# KiCad board SimulTypeUltraFullMag.kicad_pcb (continued)
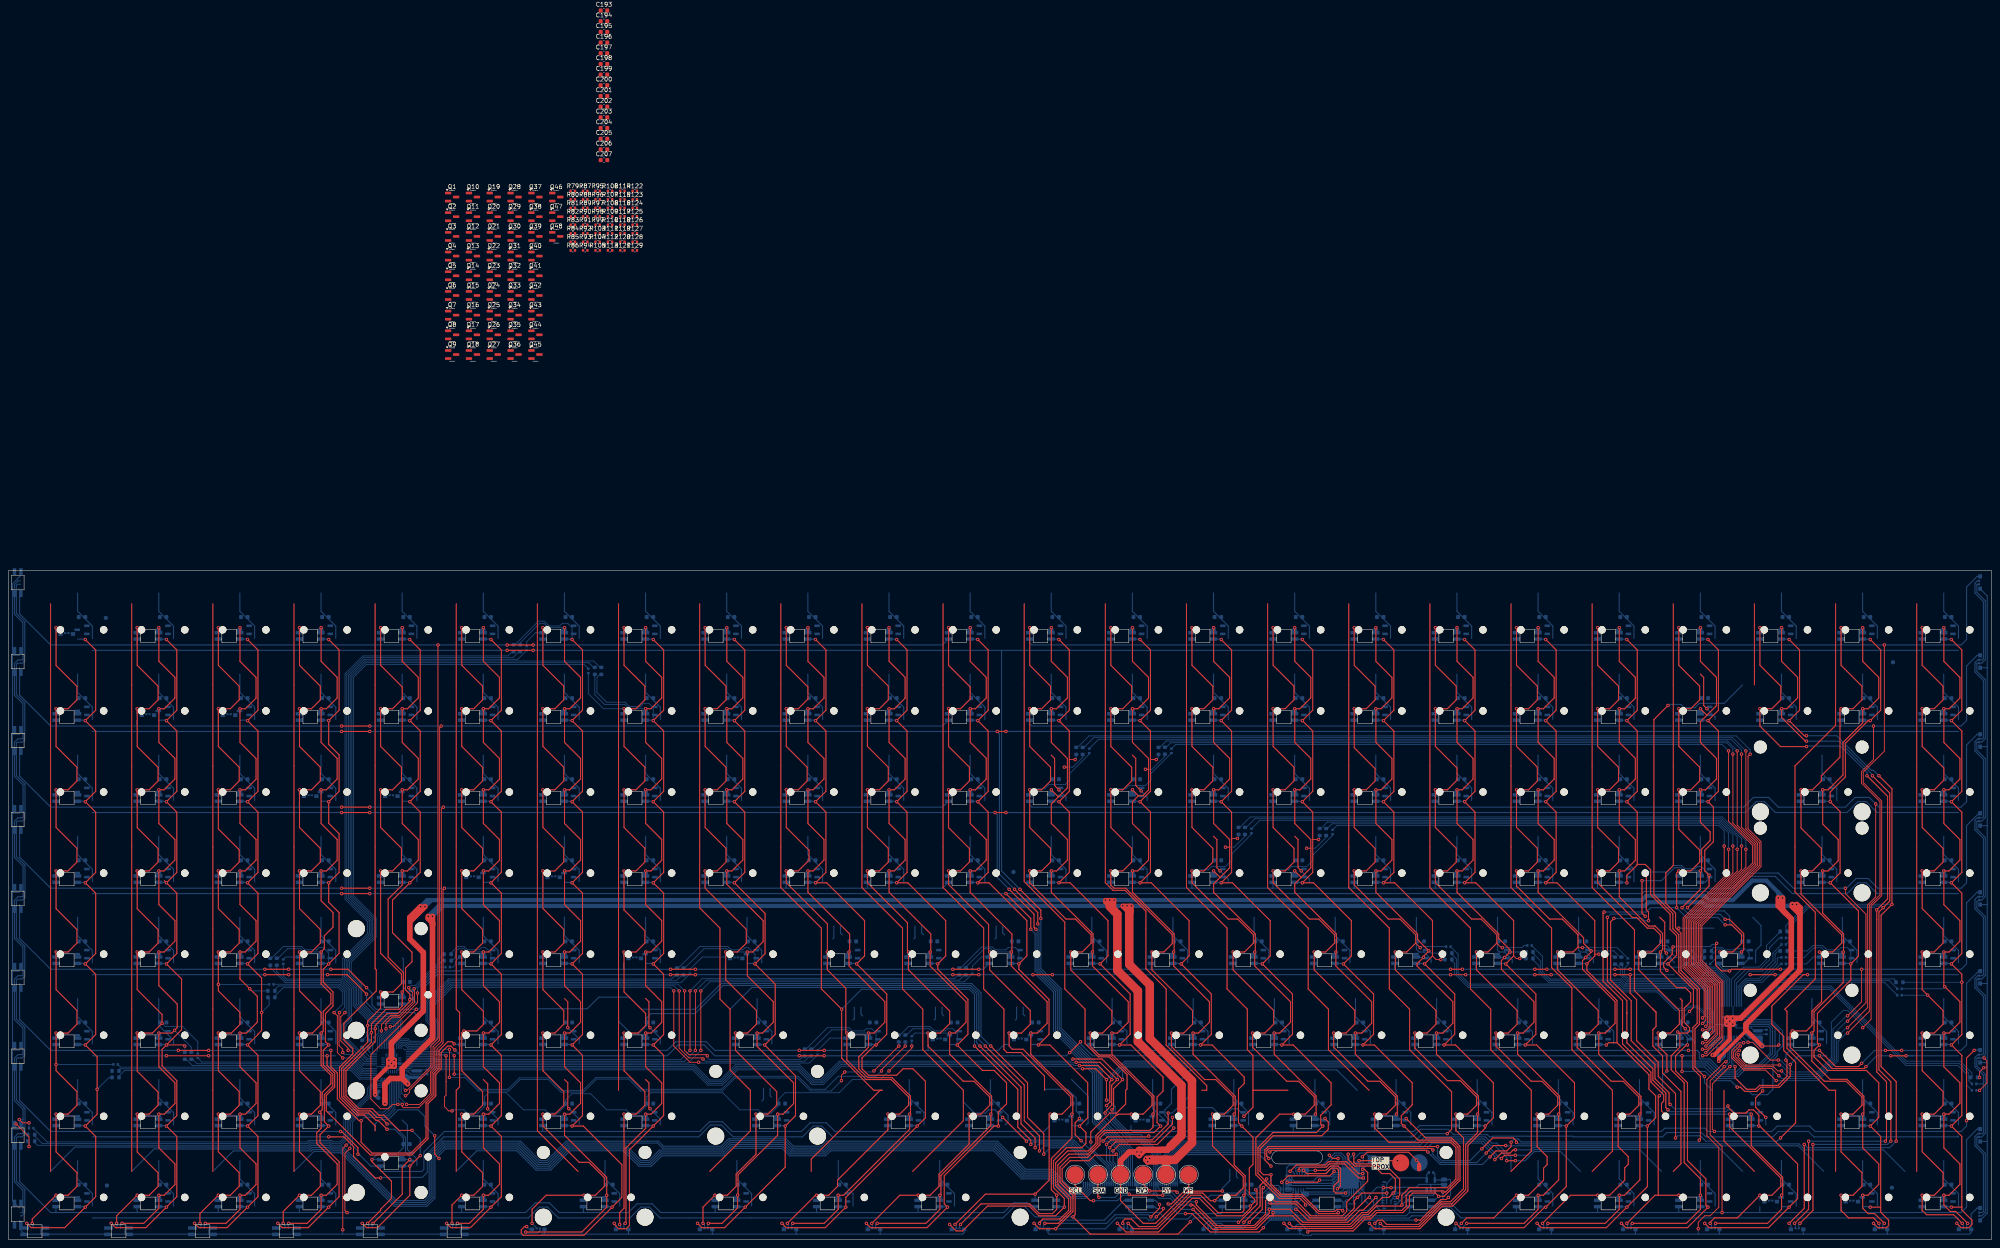
[diagram p0: board, top side]
## Routing (per net, layer and track width the routed paths; a pad name or vN(x,y) marks a point on that pad's centre or on a via; arc(x,y) is an arc through that point) (continued)
  Bottom w0.2: v1(333.49,67.8) 334,67.29 337.55,67.29
  Bottom w0.25: 321.03,85.41 321.03,86.59 v1(321.04,86.59) ; 335.32,47.31 335.32,48.44 v1(335.27,48.49) ; v1(321.04,124.69) 321.03,124.69 321.03,123.51 ; 321.03,104.46 321.03,105.64 v1(321.04,105.64) ; v1(344.92,29.44) 344.85,29.37 344.85,28.26 ; 330.56,66.36 330.65,66.27 v1(332.22,66.27) ; 321.03,142.56 321.03,143.74 v1(321.04,143.75) ; 321.82,2.6 321.82,3.55 v1(322.06,3.79)
/G19c: length 200.3
  Top w0.25: v1(342.38,3.79) 355.84,3.79 359.14,7.09 v1(359.14,10.39) 360.37,10.39 363.97,14 v1(363.97,29.44) 364.17,29.65 364.17,33.68 354.32,43.54 v1(354.32,48.49) 355.6,48.49 358.15,51.04 358.15,55.86 350.51,63.5 350.51,65.51 v1(351.27,66.27) v1(352.54,67.54) 352.54,68.05 349.88,70.71 349.88,71.78 340.09,81.57 v1(340.09,86.59) 341.32,86.59 343.86,89.14 343.86,93.96 340.09,97.73 v1(340.09,105.64) 341.32,105.64 343.86,108.19 343.86,113.01 340.09,116.78 v1(340.09,124.69) 341.32,124.69 343.86,127.24 343.86,132.06 340.09,135.83 v1(340.09,143.75)
  Bottom w0.25: 354.37,47.31 354.37,48.44 v1(354.32,48.49) ; 340.08,123.51 340.08,124.69 v1(340.09,124.69) ; v1(340.09,86.59) 340.08,86.59 340.08,85.41 ; v1(342.38,3.79) 341.52,2.93 341.52,2.6 ; v1(340.09,143.75) 340.08,143.74 340.08,142.56 ; 363.9,28.26 363.9,29.37 v1(363.97,29.44) ; v1(351.27,66.27) 349.7,66.27 349.61,66.36 ; v1(340.09,105.64) 340.08,105.64 340.08,104.46 ; 356.6,67.54 353.3,67.54 353.3,67.54 v1(352.54,67.54) ; v1(359.14,10.39) 359.13,10.39 359.13,9.21
/G20c: length 205.3
  Top w0.2: v1(370.32,66.27) 370.32,66.53
  Top w0.25: 371.59,67.54 371.59,68.05 ; 371.59,67.54 v1(371.59,67.8) 369.81,69.58 369.81,70.91 359.14,81.57 v1(359.14,86.59) 360.37,86.59 362.91,89.14 362.91,93.96 359.14,97.73 v1(359.14,105.64) 360.37,105.64 362.91,108.19 362.91,113.01 359.14,116.78 v1(359.14,124.69) 360.37,124.69 362.91,127.24 362.91,132.06 359.14,135.83 v1(359.14,143.75) ; 371.59,67.54 369.94,65.89 ; v1(370.32,66.27) 369.94,65.89 ; 369.94,65.89 369.56,65.51 369.56,63.5 377.2,55.86 377.2,50.81 374.89,48.49 v1(373.37,48.49) 373.37,43.54 383.27,33.63 383.27,29.7 v1(383.02,29.44) 383.02,14 379.42,10.39 v1(378.19,10.39) 378.19,7.09 374.89,3.79 v1(361.43,3.79)
  Bottom w0.2: v1(371.59,67.8) 376.93,67.8 378.7,66.02
  Bottom w0.25: 359.13,85.41 359.13,86.59 v1(359.14,86.59) ; 361.22,2.6 361.22,3.59 v1(361.43,3.79) ; v1(359.14,105.64) 359.13,105.64 359.13,104.46 ; 373.42,47.31 373.42,48.44 v1(373.37,48.49) ; 359.13,123.51 359.13,124.69 v1(359.14,124.69) ; v1(370.32,66.27) 368.75,66.27 368.66,66.36 ; 382.95,28.26 382.95,29.37 v1(383.02,29.44) ; v1(378.19,10.39) 378.18,10.39 378.18,9.21 ; 359.13,142.56 359.13,143.74 v1(359.14,143.75)
/G21c: length 200.6
  Top w0.25: v1(381.24,3.79) 393.94,3.79 397.24,7.09 v1(397.24,10.39) 397.24,14.26 393.43,18.07 393.43,36.81 390.39,39.86 390.39,43.16 392.42,45.19 392.42,48.24 v1(391.91,48.75) 392.16,48.49 394.2,48.49 394.7,49 394.7,49.76 393.43,51.03 393.43,54.34 394.96,55.86 394.96,57.89 393.69,59.16 391.66,59.16 387.85,62.97 v1(387.85,67.54) 388.35,68.05 388.35,71.89 386.59,73.66 386.58,73.64 385.05,73.64 378.19,80.5 v1(378.19,86.59) 379.46,86.59 381.96,89.1 381.96,93.96 378.19,97.73 v1(378.19,105.64) 379.42,105.64 381.96,108.19 381.96,113.01 378.19,116.78 v1(378.19,124.69) 379.46,124.69 381.96,127.2 381.96,132.06 378.19,135.83 v1(378.19,143.75)
  Bottom w0.2: 394.19,66.27 391.4,66.27 389.37,68.31 388.61,68.31 v1(387.85,67.54)
  Bottom w0.25: v1(378.19,105.64) 378.18,105.64 378.18,104.46 ; v1(378.19,124.69) 378.18,124.69 378.18,123.51 ; v1(381.24,3.79) 380.93,3.48 380.93,2.6 ; 397.23,9.21 397.23,10.39 v1(397.24,10.39) ; 392.47,47.31 392.47,48.19 v1(391.91,48.75) ; 387.71,66.36 387.71,67.41 v1(387.85,67.54) ; v1(378.19,86.59) 378.18,86.59 378.18,85.41 ; 378.18,142.56 378.18,143.74 v1(378.19,143.75)
/G22c: length 265.8
  Top w0.25: v1(375.4,75.67) 375.4,60.69 379.97,56.11 379.97,53.07 ; 379.97,53.07 379.97,46.21 386.07,40.11 386.07,37.45 389.12,34.4 389.12,30.97 v1(389.62,30.46) ; 379.97,53.07 379.97,53.32 ; v1(384.29,75.93) 383.53,76.69 v1(383.53,84.31) ; v1(397.24,143.75) 397.24,135.83 401.01,132.06 401.01,125.42 398.77,123.17 ; v1(392.93,77.96) 397.24,82.28 v1(397.24,86.59) 397.51,86.86 397.51,91.69 399.53,93.71 399.53,95.74 397.24,98.02 v1(397.24,105.64) 398.47,105.64 401.01,108.19 401.01,113.01 397.24,116.78 397.24,121.65 398.77,123.17 ; v1(397.24,124.69) 398.77,123.17 ; v1(403.04,75.21) 404.06,75.21 407.4,71.86 407.4,68.05 v1(406.9,67.54) ; v1(400.8,3.79) 412.99,3.79 416.29,7.09 v1(416.29,10.39) 416.56,10.66 416.56,14.63 409.18,22.01 v1(409.18,29.44)
  Bottom w0.2: 399.53,66.27 399.53,66.53 401.25,68.24 402.13,68.24 402.83,67.54 v1(406.9,67.54)
  Bottom w0.25: 400.63,2.6 400.63,3.62 v1(400.8,3.79) ; 397.23,85.41 397.23,86.59 v1(397.24,86.59) 393.43,86.59 392.67,87.36 391.15,87.36 388.1,84.31 v1(383.53,84.31) ; 397.23,104.46 397.23,105.64 v1(397.24,105.64) ; v1(406.9,67.54) 406.76,67.41 406.76,66.36 ; v1(397.24,124.69) 397.23,124.69 397.23,123.51 ; v1(416.29,10.39) 416.28,10.39 416.28,9.21 ; 409.14,28.26 409.14,29.4 v1(409.18,29.44) 408.93,29.7 405.37,29.7 404.61,30.46 403.66,30.46 403.24,30.04 390.05,30.04 v1(389.62,30.46) ; v1(392.93,77.96) 394.45,76.43 401.82,76.43 v1(403.04,75.21) ; v1(384.29,75.93) 383.78,76.43 376.16,76.43 v1(375.4,75.67) ; 397.23,142.56 397.23,143.74 v1(397.24,143.75)
/G23c: length 211.8
  Top w0.25: v1(416.29,143.75) 416.29,135.83 420.06,132.06 420.06,127.24 417.52,124.69 v1(416.29,124.69) 416.29,122.65 421.87,117.07 v1(422.14,117.07) ; v1(441.95,23.09) 441.95,37.06 439.15,39.86 439.15,76.94 v1(440.17,77.96) 441.69,79.48 441.69,104.88 v1(437.63,108.95) ; v1(423.66,22.33) 423.66,6.84 v1(420.61,3.79)
  Bottom w0.2: 417.31,70.85 417.93,70.85 418.69,71.61 418.69,74.57 422.48,78.36 439.77,78.36 v1(440.17,77.96)
  Bottom w0.25: 416.28,123.51 416.28,124.69 v1(416.29,124.69) ; 420.34,2.6 420.34,3.52 v1(420.61,3.79) ; 416.28,142.56 416.28,143.74 v1(416.29,143.75) ; v1(441.95,23.09) 441.19,22.33 v1(423.66,22.33) ; v1(422.14,117.07) 429.76,117.07 437.63,109.2 v1(437.63,108.95)
/G24c: length 197.5
  Top w0.25: v1(440.42,3.79) 438.14,6.08 436.61,6.08 435.34,7.35 v1(435.34,10.39) 436.57,10.39 439.11,12.94 439.11,17.76 435.34,21.53 v1(435.34,29.44) 435.61,29.71 435.61,33.68 431.66,37.63 427.67,37.63 423.41,41.89 v1(423.41,48.49) 423.91,49 423.91,53.5 430.77,60.35 v1(430.77,67.54) 430.85,67.62 430.85,71.78 425.95,76.68 v1(425.95,86.59) 427.22,86.59 429.59,88.97 429.59,93.96 425.95,97.6 v1(425.95,105.64) 427.22,105.64 430.71,109.14 430.71,116.76 435.34,121.39 v1(435.34,124.69) 436.61,124.69 439.11,127.2 439.11,132.06 435.34,135.83 v1(435.34,143.75)
  Bottom w0.2: 417.31,66.27 421.63,66.27 423.91,68.56 425.67,68.56 426.68,67.54 v1(430.77,67.54)
  Bottom w0.25: 435.33,123.51 435.33,124.69 v1(435.34,124.69) ; v1(425.95,86.59) 425.81,86.46 425.81,85.41 ; v1(440.42,3.79) 440.04,3.41 440.04,2.6 ; v1(423.41,48.49) 423.43,48.47 423.43,47.31 ; 430.57,66.36 430.57,67.35 v1(430.77,67.54) ; 425.81,104.46 425.81,105.51 v1(425.95,105.64) ; v1(435.34,29.44) 435.33,29.44 435.33,28.26 ; v1(435.34,143.75) 435.33,143.74 435.33,142.56 ; 435.33,9.21 435.33,10.39 v1(435.34,10.39)
/G25c: length 196.7
  Top w0.25: v1(459.98,3.79) 457.19,6.58 455.92,6.58 454.39,8.11 v1(454.39,10.39) 455.62,10.39 458.16,12.94 458.16,17.76 454.39,21.53 v1(454.39,29.44) 455.62,29.44 458.16,31.99 458.16,36.81 454.39,40.58 v1(454.39,48.49) 455.62,48.49 458.16,51.04 458.16,55.86 v1(454.63,59.4) 454.39,59.63 v1(454.39,67.54) 455.62,67.54 458.16,70.09 458.16,74.91 454.39,78.68 v1(454.39,86.59) 455.62,86.59 458.16,89.14 458.16,93.96 454.39,97.73 v1(454.39,105.64) 455.62,105.64 458.16,108.19 458.16,113.01 454.39,116.78 v1(454.39,124.69) 455.66,124.69 458.16,127.2 458.16,132.06 454.39,135.83 v1(454.39,143.75)
  Bottom w0.2: 407.55,49.29 408.45,49.29 409.5,48.24 R102.1 ; 444.49,58.91 454.14,58.91 v1(454.63,59.4)
  Bottom w0.25: 454.38,104.46 454.38,105.64 v1(454.39,105.64) ; 454.38,85.41 454.38,86.59 v1(454.39,86.59) ; 454.38,47.31 454.38,48.49 v1(454.39,48.49) ; 454.38,66.36 454.38,67.54 v1(454.39,67.54) ; 454.38,142.56 454.38,143.74 v1(454.39,143.75) ; v1(454.39,29.44) 454.38,29.44 454.38,28.26 ; v1(459.98,3.79) 459.75,3.56 459.75,2.6 ; v1(454.39,124.69) 454.38,124.69 454.38,123.51 ; v1(454.39,10.39) 454.38,10.39 454.38,9.21
/G26c: length 168.7
  Bottom w0.2: 463.68,36.81 463.68,36.56 462.01,36.56
  Bottom w0.25: LED222.2 462.23,154.72 461.7,154.2 461.7,151.87 463.68,149.88 463.68,136.41 463.44,136.17 462.7,136.17 462.37,136.17 461.7,135.5 461.7,133.32 463.68,131.34 463.68,117.86 463.44,117.62 462.7,117.62 462.37,117.62 461.7,116.95 461.7,114.77 463.68,112.79 463.68,99.31 463.44,99.07 462.7,99.07 462.23,99.07 461.7,98.55 461.7,96.22 463.68,94.24 463.68,80.76 463.44,80.52 462.7,80.52 462.34,80.52 461.7,79.88 461.7,77.67 463.68,75.69 463.68,62.22 463.44,61.98 462.7,61.98 462.34,61.98 461.7,61.34 461.7,59.09 463.68,57.11 463.68,43.67 463.44,43.43 462.7,43.43 462.37,43.43 461.7,42.76 461.7,40.57 463.68,38.59 463.68,25.12 463.44,24.88 462.7,24.88 462.37,24.88 461.7,24.21 461.7,22.02 463.68,20.04 463.68,6.57 463.44,6.33 462.7,6.33
/GUARD: length 17.3
  Bottom w0.25: 302.53,14.86 302.53,15.7 302.25,15.98 302.25,16.74 302.5,17 308.85,17 311.65,19.79 312.66,19.79 313.3,19.15 313.3,16.4
/INT: length 473.5
  Top w0.25: v1(249.92,42.4) 256.74,42.4 v1(261.56,37.57) 261.56,37.53 259.46,35.42 259.46,30.85 v1(259.07,30.46) ; v1(317.95,16.49) 318.36,16.49 319.12,15.73 319.12,13.7 314.19,8.76 314.19,6.58 313.17,5.57 305.8,5.57 302.5,8.87 297.42,8.87 v1(296.15,10.14) 295.14,9.12 295.14,5.95 292.47,3.28 283.71,3.28 278.88,8.11 v1(278.88,8.87)
  Bottom w0.2: 93.35,41.78 99.29,41.78 100.01,41.06 161.09,41.06 164.69,37.46 167.09,37.46 170.69,41.06 185.72,41.06 189.15,37.62 190.79,37.62 195.06,41.89 249.42,41.89 v1(249.92,42.4) ; 407.55,51.69 413.86,51.69 416.55,49
  Bottom w0.25: v1(296.15,10.14) 296.15,9.98 297.02,9.11 297.43,9.11 ; 416.55,49 416.55,45.45 415.28,44.18 415.28,43.16 414.26,42.14 414.26,35.29 412.99,34.02 409.44,34.02 405.63,37.83 400.97,37.83 398.26,40.54 262.67,40.54 261.56,39.43 v1(261.56,37.57) ; v1(317.95,16.49) 317.95,16.59 TP7.1 318.62,20.3 317.29,20.3 315.83,18.85 315.83,17.5 315.3,16.97 315.3,16.4 ; v1(259.07,30.46) 259.32,30.21 259.32,28.3 263.51,24.11 265.8,24.11 269.89,20.02 J1.36 269.89,12.14 270.62,11.41 272.78,11.41 275.32,8.87 v1(278.88,8.87)
/ISETL: length 22.9
  Bottom w0.2: 405.3,54.74 405.3,60.87 407.91,63.48 411.21,63.48 413.5,65.77 413.5,68.56 415.79,70.85 R49.2
/LEDOFF: length 376.4
  Top w0.25: v1(252.21,40.11) 255.26,40.11 v1(257.8,37.57) v1(257.8,32.75)
  Bottom w0.2: v1(252.21,40.11) 250.18,40.11 249.6,40.69 195.56,40.69 191.29,36.42 188.66,36.42 188.36,36.72 ; 413.62,49 413.62,49.63 413.16,50.09 407.55,50.09 ; 93.35,40.18 94.41,40.18 94.81,40.58 98.79,40.58 99.52,39.86 160.6,39.86 164.19,36.26 167.59,36.26 171.18,39.86 185.22,39.86 188.36,36.72 ; 188.36,36.72 188.41,36.66
  Bottom w0.25: J1.37 270.39,20.15 265.93,24.62 263.64,24.62 259.83,28.43 259.83,31.22 258.31,32.75 v1(257.8,32.75) ; 413.62,49 413.62,43.79 410.71,40.88 407.15,40.88 405.63,39.35 401.82,39.35 399.28,41.89 262.12,41.89 v1(257.8,37.57)
/PBOT: length 20
  Top w0.25: J4.1 v1(330.57,18.65) 328.73,20.49 318.94,20.49 v1(317.87,19.41)
  Bottom w0.25: v1(317.87,19.41) 318.11,19.17 318.11,18.27 317.23,17.39 317.23,15.48 316.95,15.21 316.49,15.21
/PTOP: length 13.8
  Top w0.25: v1(317.09,18.52) v1(326.12,18.52) 326.63,18.01 J3.1
  Bottom w0.25: 316.49,15.71 316.49,17.92 v1(317.09,18.52) ; v1(326.12,18.52) 326.63,18.01
/R1c: length 170.4
  Top w0.2: v1(4.81,21.82) 4.81,24.11 v1(1.77,27.16)
  Bottom w0.2: 4.81,23.09 4.81,21.83 v1(4.81,21.82) ; v1(1.77,27.16) 0.94,27.16
  Bottom w0.25: 0.93,137.14 0.93,154.07 2.65,155.79 2.6,155.79 ; 0.93,137.14 1.03,137.24 2.6,137.24 ; 0.93,137.14 0.93,118.6 ; 0.93,62.97 0.93,53.58 0.94,53.57 0.94,44.43 ; 0.93,62.97 1,63.04 2.6,63.04 ; 0.93,62.97 0.93,81.51 ; 0.93,100.06 0.93,81.51 ; 0.93,100.06 1.02,100.14 2.6,100.14 ; 0.93,100.06 0.93,118.6 ; 0.93,81.51 1.01,81.59 2.6,81.59 ; 0.94,44.43 1,44.5 2.6,44.5 ; 0.94,44.43 0.94,25.89 ; 2.6,7.4 0.94,9.06 0.94,25.89 ; 2.6,118.69 1.02,118.69 0.93,118.6 ; 0.94,25.89 0.99,25.95 2.6,25.95
/R2c: length 185.1
  Top w0.25: v1(4.31,3.79) 5.32,2.77 13.2,2.77 v1(18.02,7.6) 20.46,10.04 20.46,24.21 v1(18.02,26.65) 20.82,29.44 v1(20.82,35.29) 20.82,42.91 v1(18.02,45.7) 20.46,48.14 20.46,62.31 v1(18.02,64.75) 20.46,67.19 20.46,81.36 v1(18.02,83.8) 20.46,86.24 20.46,100.41 v1(18.02,102.85) 20.46,105.29 20.46,119.46 v1(18.02,121.9) 20.46,124.34 20.46,138.51 v1(18.02,140.95)
  Bottom w0.2: v1(20.82,35.29) 23.61,38.08 24.62,38.08
  Bottom w0.25: v1(18.02,121.9) 17.91,122.01 16.23,122.01 ; v1(18.02,83.8) 17.91,83.91 16.23,83.91 ; 16.23,141.06 17.91,141.06 v1(18.02,140.95) ; v1(18.02,102.85) 17.91,102.96 16.23,102.96 ; 16.23,26.76 17.91,26.76 v1(18.02,26.65) ; 16.23,64.86 17.91,64.86 v1(18.02,64.75) ; v1(18.02,7.6) 17.91,7.71 16.23,7.71 ; 16.23,45.81 17.91,45.81 v1(18.02,45.7) ; v1(4.31,3.79) 4.7,3.39 4.7,2.38
/R3c: length 187.8
  Top w0.2: v1(41.39,45.45) 41.14,45.7 v1(37.07,45.7)
  Top w0.25: v1(37.07,83.8) 39.51,86.24 39.51,100.41 v1(37.07,102.85) 39.51,105.29 39.51,119.46 v1(37.07,121.9) 39.51,124.34 39.51,138.51 v1(37.07,140.95) ; v1(37.07,83.8) 39.51,81.36 39.51,67.19 v1(37.07,64.75) 40.63,61.19 40.63,49.26 v1(37.07,45.7) 36.06,44.69 36.06,40.78 39.51,37.32 39.51,29.09 v1(37.07,26.65) 39.51,24.21 39.51,10.04 v1(37.07,7.6) 32.25,2.77 25.13,2.77 v1(24.12,3.79) ; v1(37.07,83.8) 36.56,84.31
  Bottom w0.2: 41.39,43.67 v1(41.39,45.45)
  Bottom w0.25: v1(37.07,45.7) 36.96,45.81 35.28,45.81 ; 35.28,141.06 36.96,141.06 v1(37.07,140.95) ; v1(37.07,26.65) 36.96,26.76 35.28,26.76 ; v1(37.07,64.75) 36.96,64.86 35.28,64.86 ; 24.41,2.38 24.41,3.5 v1(24.12,3.79) ; 35.28,7.71 36.96,7.71 v1(37.07,7.6) ; 35.28,102.96 36.96,102.96 v1(37.07,102.85) ; 35.28,83.91 36.96,83.91 v1(37.07,83.8) ; 35.28,122.01 36.96,122.01 v1(37.07,121.9)
/R4c: length 183.6
  Top w0.25: v1(43.68,3.79) 44.69,2.77 51.3,2.77 v1(56.12,7.6) 58.56,10.04 58.56,24.21 v1(56.12,26.65) 58.56,29.09 58.56,43.26 v1(56.12,45.7) 58.56,48.14 58.56,48.24 59.42,49.1 v1(59.42,53.32) 59.42,61.45 v1(56.12,64.75) 58.56,67.19 58.56,81.36 v1(56.12,83.8) 58.56,86.24 58.56,100.41 v1(56.12,102.85) 58.56,105.29 58.56,119.46 v1(56.12,121.9) 58.56,124.34 58.56,138.51 v1(56.12,140.95)
  Bottom w0.2: v1(59.42,53.32) 61.2,55.1 61.2,56.88
  Bottom w0.25: 54.33,7.71 56.01,7.71 v1(56.12,7.6) ; v1(56.12,102.85) 56.01,102.96 54.33,102.96 ; v1(43.68,3.79) 44.11,3.35 44.11,2.38 ; v1(56.12,121.9) 56.01,122.01 54.33,122.01 ; 54.33,83.91 56.01,83.91 v1(56.12,83.8) ; 54.33,26.76 56.01,26.76 v1(56.12,26.65) ; 54.33,64.86 56.01,64.86 v1(56.12,64.75) ; v1(56.12,140.95) 56.01,141.06 54.33,141.06 ; v1(56.12,45.7) 56.01,45.81 54.33,45.81
/R5c: length 199.6
  Top w0.25: v1(63.23,3.79) 64.25,2.77 70.35,2.77 v1(75.17,7.6) 77.61,10.04 77.61,18.27 73.14,22.74 73.14,24.62 v1(75.17,26.65) 74.16,27.67 74.16,34.02 76.13,35.99 76.13,38.78 73.9,41 73.9,44.43 v1(75.17,45.7) 74.41,46.46 74.41,53.07 76.19,54.84 76.19,58.15 73.9,60.43 73.9,63.48 v1(75.17,64.75) 77.61,67.19 77.61,76.79 75.17,79.23 v1(75.17,83.8) 77.61,86.24 77.61,95.33 75.17,97.77 v1(75.17,102.85) 77.61,105.29 77.61,113.87 75.17,116.31 v1(75.17,121.9) 77.61,124.34 77.61,138.51 v1(75.17,140.95)
  Bottom w0.2: 61.46,65.77 64.5,68.81 68.82,68.81 69.58,68.05 72.38,68.05 72.89,68.56 73.9,68.56 75.17,67.29 v1(75.17,64.75)
  Bottom w0.25: v1(75.17,7.6) 75.06,7.71 73.38,7.71 ; 73.38,45.81 75.06,45.81 v1(75.17,45.7) ; 63.82,2.38 63.82,3.21 v1(63.23,3.79) ; v1(75.17,83.8) 75.06,83.91 73.38,83.91 ; v1(75.17,140.95) 75.06,141.06 73.38,141.06 ; 73.38,102.96 75.06,102.96 v1(75.17,102.85) ; 73.38,122.01 75.06,122.01 v1(75.17,121.9) ; v1(75.17,26.65) 75.06,26.76 73.38,26.76 ; 73.38,64.86 75.06,64.86 v1(75.17,64.75)
/R6c: length 194.4
  Top w0.25: v1(94.22,140.95) 96.66,138.51 96.66,124.34 v1(94.22,121.9) 96.66,119.46 96.66,105.29 v1(94.22,102.85) 96.66,100.41 96.66,86.24 v1(94.22,83.8) 90.16,79.74 90.16,72.08 94.73,67.5 94.73,65.26 93.21,63.73 93.21,58.65 94.22,57.64 v1(94.22,56.37) 94.22,55.86 91.43,53.07 88.89,53.07 86.1,50.28 v1(86.1,49.51) 86.1,46.47 79.24,39.6 79.24,33.76 82.28,30.71 85.46,30.71 86.98,29.19 88.13,29.19 91.68,25.63 v1(94.73,25.63) ; v1(83.05,3.79) 84.06,2.77 86.6,2.77 94.22,10.39 v1(94.22,17.25) v1(96.66,19.7)
  Bottom w0.2: v1(86.1,49.51) 84.82,49.51 84.06,48.75 84.06,47.73 83.05,46.72 83.05,46.46
  Bottom w0.25: v1(94.22,102.85) 94.11,102.96 92.43,102.96 ; 92.43,141.06 94.11,141.06 v1(94.22,140.95) ; 92.43,55.34 93.44,55.34 94.22,56.11 v1(94.22,56.37) ; v1(94.22,17.25) 94.21,17.24 92.43,17.24 ; 92.43,122.01 94.11,122.01 v1(94.22,121.9) ; v1(94.73,25.63) 96.66,23.7 v1(96.66,19.7) ; v1(83.05,3.79) 83.52,3.32 83.52,2.38 ; 92.43,83.91 94.11,83.91 v1(94.22,83.8)
/R7c: length 190.6
  Top w0.25: v1(102.86,3.79) 103.87,2.77 108.45,2.77 v1(113.27,7.6) 115.71,10.04 115.71,24.21 v1(113.27,26.65) 115.71,29.09 115.71,43.26 v1(113.27,45.7) 115.71,48.14 115.71,62.31 v1(113.27,64.75) 115.71,67.19 115.71,81.36 v1(113.27,83.8) 115.71,86.24 115.71,100.41 v1(113.27,102.85) 115.71,105.29 115.71,119.46 v1(113.27,121.9) 115.71,124.34 115.71,138.51 v1(113.27,140.95)
  Bottom w0.2: 103.62,67.04 103.62,67.04 105.4,68.81 106.98,68.81 107.74,68.05 110.48,68.05 110.99,68.56 112,68.56 113.27,67.29 v1(113.27,64.75)
  Bottom w0.25: v1(113.27,26.65) 113.16,26.76 111.48,26.76 ; 111.48,83.91 113.16,83.91 v1(113.27,83.8) ; 111.48,141.06 113.16,141.06 v1(113.27,140.95) ; v1(102.86,3.79) 103.23,3.42 103.23,2.38 ; v1(113.27,64.75) 113.16,64.86 111.48,64.86 ; 111.48,45.81 113.16,45.81 v1(113.27,45.7) ; v1(113.27,7.6) 113.16,7.71 111.48,7.71 ; 111.48,102.96 113.16,102.96 v1(113.27,102.85) ; v1(113.27,121.9) 113.16,122.01 111.48,122.01
/R8c: length 215.6
  Top w0.25: v1(121.65,3.03) 121.15,3.03 120.38,2.27 120.38,1.5 120.89,1 135.12,1 v1(141.72,7.6) 144.01,9.89 144.01,17.59 134.95,26.65 v1(132.32,26.65) 134.76,29.09 134.76,43.26 v1(132.32,45.7) 134.76,48.14 134.76,62.31 v1(132.32,64.75) 134.76,67.19 134.76,81.36 v1(132.32,83.8) 134.76,86.24 134.76,100.41 v1(132.32,102.85) 134.76,105.29 134.76,119.46 v1(132.32,121.9) 134.76,124.34 134.76,138.51 v1(132.32,140.95)
  Bottom w0.2: v1(132.32,140.95) 132.32,143.75 131.31,144.76 130.04,144.76 129.42,144.14 126.9,144.14 125.77,145.27 124.45,145.27 118.61,139.43
  Bottom w0.25: v1(132.32,140.95) 132.21,141.06 130.53,141.06 ; v1(132.32,64.75) 132.21,64.86 130.53,64.86 ; v1(121.65,3.03) 122.3,2.38 122.93,2.38 ; v1(132.32,83.8) 132.21,83.91 130.53,83.91 ; v1(141.72,7.6) 141.61,7.71 140.06,7.71 ; v1(132.32,26.65) 132.21,26.76 130.53,26.76 ; v1(132.32,121.9) 132.21,122.01 130.53,122.01 ; v1(132.32,102.85) 132.21,102.96 130.53,102.96 ; 130.53,45.81 132.21,45.81 v1(132.32,45.7)
/R9c: length 194.4
  Top w0.25: v1(151.37,140.95) 153.81,138.51 153.81,124.34 v1(151.37,121.9) 153.81,119.46 153.81,105.29 v1(151.37,102.85) 153.81,100.41 153.81,86.24 v1(151.37,83.8) 153.81,81.36 153.81,67.19 v1(151.37,64.75) 153.81,62.31 153.81,48.14 v1(151.37,45.7) 153.81,43.26 153.81,29.09 v1(151.37,26.65) 145.78,21.06 145.78,3.28 145.02,2.52 143.24,2.52 142.23,3.54 v1(142.23,3.79)
  Bottom w0.2: 139.18,133.08 138.16,132.06 138.16,128.5 140.45,126.22 144.77,126.22 145.78,125.2 148.32,125.2 149.09,125.96 150.36,125.96 151.37,124.95 v1(151.37,121.9)
  Bottom w0.25: v1(151.37,140.95) 151.26,141.06 149.58,141.06 ; v1(151.37,102.85) 151.26,102.96 149.58,102.96 ; 142.63,2.38 142.63,3.38 v1(142.23,3.79) ; v1(151.37,64.75) 151.26,64.86 149.58,64.86 ; v1(151.37,83.8) 151.26,83.91 149.58,83.91 ; v1(151.37,45.7) 151.26,45.81 149.58,45.81 ; v1(151.37,26.65) 151.26,26.76 149.58,26.76 ; 149.58,122.01 151.26,122.01 v1(151.37,121.9)
/R10c: length 208.3
  Top w0.25: v1(161.79,3.79) 162.8,2.77 168.14,2.77 v1(172.96,7.6) 182.36,17 v1(182.36,26.65) 184.77,29.06 184.77,38.46 v1(177.53,45.7) 180.01,48.18 180.01,59.99 v1(175.25,64.75) 177.63,67.13 177.63,76.6 v1(170.42,83.8) 172.86,86.24 172.86,100.41 v1(170.42,102.85) 172.86,105.29 172.86,119.46 v1(170.42,121.9) 172.86,124.34 172.86,138.51 v1(170.42,140.95)
  Bottom w0.2: v1(175.25,64.75) 175.25,67.04 173.72,68.56 172.96,68.56 172.45,68.05 169.66,68.05 168.9,68.81 162.29,68.81 156.96,63.48
  Bottom w0.25: v1(177.53,45.7) 177.42,45.81 175.78,45.81 ; 168.63,83.91 170.31,83.91 v1(170.42,83.8) ; 171.02,7.71 172.85,7.71 v1(172.96,7.6) ; 168.63,122.01 170.31,122.01 v1(170.42,121.9) ; 162.34,2.38 162.34,3.24 v1(161.79,3.79) ; v1(182.36,26.65) 182.25,26.76 180.54,26.76 ; v1(170.42,102.85) 170.31,102.96 168.63,102.96 ; 168.63,141.06 170.31,141.06 v1(170.42,140.95) ; v1(175.25,64.75) 175.14,64.86 173.4,64.86
/R11c: length 230.6
  Top w0.25: v1(189.47,140.95) 191.91,138.51 191.91,124.34 v1(189.47,121.9) 191.91,119.46 191.91,105.29 v1(189.47,102.85) 191.91,100.41 191.91,86.24 v1(189.47,83.8) 192.1,83.8 200.99,74.91 200.99,66.62 v1(199.12,64.75) 206.2,57.67 206.2,48.21 v1(203.7,45.7) 203.44,45.7 200.39,42.65 200.39,40.11 201.92,38.59 208.52,38.59 210.05,40.11 212.33,40.11 215.28,37.17 215.28,28.58 v1(213.35,26.65) 196.58,9.89 v1(196.58,7.6) 191.76,2.77 182.61,2.77 v1(181.6,3.79)
  Bottom w0.2: v1(203.7,45.7) 203.7,48.49 202.68,49.51 201.41,49.51 200.9,49 198.11,49 197.35,49.76 192.27,49.76 186.93,44.43
  Bottom w0.25: v1(199.12,64.75) 199.01,64.86 197.21,64.86 ; v1(181.6,3.79) 182.04,3.35 182.04,2.38 ; v1(189.47,140.95) 189.36,141.06 187.68,141.06 ; 201.97,45.81 203.58,45.81 v1(203.7,45.7) ; v1(189.47,102.85) 189.36,102.96 187.68,102.96 ; v1(189.47,121.9) 189.36,122.01 187.68,122.01 ; 194.83,7.71 196.47,7.71 v1(196.58,7.6) ; 187.68,83.91 189.36,83.91 v1(189.47,83.8) ; v1(213.35,26.65) 213.24,26.76 211.5,26.76
/R12c: length 220.2
  Top w0.25: v1(208.52,140.95) 210.96,138.51 210.96,124.34 v1(208.52,121.9) 210.96,119.46 210.96,105.29 v1(208.52,102.85) 210.96,100.41 210.96,86.24 v1(208.52,83.8) 211.15,83.8 220.04,74.91 220.04,66.62 v1(218.17,64.75) 218.17,63.48 225.25,56.4 225.25,48.21 v1(222.75,45.7) 222.75,45.65 228.68,39.72 231.42,39.72 234.33,36.81 234.33,31.88 232.4,29.95 v1(232.4,26.65) 231.38,26.65 219.7,14.97 219.7,8.36 v1(220.46,7.6) 215.63,2.77 202.43,2.77 v1(201.41,3.79)
  Bottom w0.2: 209.03,47.73 209.03,47.73 211.31,50.02 216.4,50.02 217.41,49 219.95,49 220.46,49.51 221.73,49.51 222.75,48.49 v1(222.75,45.7)
  Bottom w0.25: 201.75,2.38 201.75,3.45 v1(201.41,3.79) ; 206.73,83.91 208.41,83.91 v1(208.52,83.8) ; 206.73,122.01 208.41,122.01 v1(208.52,121.9) ; 206.73,141.06 208.41,141.06 v1(208.52,140.95) ; v1(222.75,45.7) 222.63,45.81 221.02,45.81 ; 230.55,26.76 232.29,26.76 v1(232.4,26.65) ; 218.64,7.71 220.35,7.71 v1(220.46,7.6) ; 216.26,64.86 218.06,64.86 v1(218.17,64.75) ; 206.73,102.96 208.41,102.96 v1(208.52,102.85)
/R13c: length 232.5
  Top w0.25: v1(227.57,140.95) 230.01,138.51 230.01,124.34 v1(227.57,121.9) 230.01,119.46 230.01,105.29 v1(227.57,102.85) 230.01,100.41 230.01,86.24 v1(227.57,83.8) 230.2,83.8 239.09,74.91 239.09,66.62 v1(237.22,64.75) 237.22,63.48 244.3,56.4 244.3,48.21 v1(241.8,45.7) 244.48,45.7 253.38,36.81 253.38,28.58 v1(251.45,26.65) 252.97,25.13 252.97,22.59 251.96,21.57 248.4,21.57 245.35,18.52 245.35,12.18 247.89,9.64 v1(247.89,7.6) 245.86,5.57 241.92,5.57 239.63,7.85 229.86,7.85 224.02,2.01 222.49,2.01 v1(220.97,3.54)
  Bottom w0.2: 223.25,63.48 228.48,68.71 230.98,68.71 231.64,68.05 234.18,68.05 234.68,68.56 236.46,68.56 237.22,67.8 v1(237.22,64.75)
  Bottom w0.25: 225.78,83.91 227.46,83.91 v1(227.57,83.8) ; 249.6,26.76 251.34,26.76 v1(251.45,26.65) ; v1(241.8,45.7) 241.68,45.81 240.07,45.81 ; v1(227.57,121.9) 227.46,122.01 225.78,122.01 ; 225.78,102.96 227.46,102.96 v1(227.57,102.85) ; 225.78,141.06 227.46,141.06 v1(227.57,140.95) ; 235.31,64.86 237.11,64.86 v1(237.22,64.75) ; v1(247.89,7.6) 247.78,7.71 246.08,7.71 ; 221.45,2.38 221.45,3.05 v1(220.97,3.54)
/R14c: length 238.4
  Top w0.2: v1(250.43,112.76) 249.06,112.76
  Top w0.25: v1(246.62,140.95) 249.06,138.51 249.06,124.34 v1(246.62,121.9) 249.06,119.46 249.06,105.29 v1(246.62,102.85) 249.06,100.41 249.06,86.24 v1(246.62,83.8) 249.25,83.8 258.14,74.91 258.14,66.62 v1(256.27,64.75) 263.35,57.67 263.35,48.21 v1(260.85,45.7) 263.53,45.7 271.08,38.15 271.08,34.89 269.67,33.48 269.67,27.48 v1(270.5,26.65) 268.97,25.13 257.54,25.13 256.27,23.86 256.27,22.27 253.29,19.28 249.16,19.28 246.88,17 246.88,13.44 249.92,10.39 249.92,6.58 v1(245.86,2.52) 242.05,2.52 v1(240.78,3.79) ; v1(271.14,7.29) 271.14,6.97 v1(269.48,5.31)
  Bottom w0.2: v1(250.43,112.76) 250.69,113.01 250.69,114.28
  Bottom w0.25: v1(270.5,26.65) 270.39,26.76 268.65,26.76 ; v1(271.14,7.29) 269.54,7.29 269.12,7.71 268.08,7.71 ; 244.83,83.91 246.51,83.91 v1(246.62,83.8) ; v1(246.62,121.9) 246.51,122.01 244.83,122.01 ; v1(246.62,140.95) 246.51,141.06 244.83,141.06 ; 241.15,2.38 241.15,3.42 v1(240.78,3.79) ; 244.83,102.96 246.51,102.96 v1(246.62,102.85) ; 254.36,64.86 256.16,64.86 v1(256.27,64.75) ; v1(245.86,2.52) 257.54,2.52 260.08,5.06 267.2,5.06 267.7,4.55 268.72,4.55 v1(269.48,5.31) ; v1(260.85,45.7) 260.73,45.81 259.12,45.81
